# KiCad board AmigaPCI Mainboard.kicad_pcb (continued)
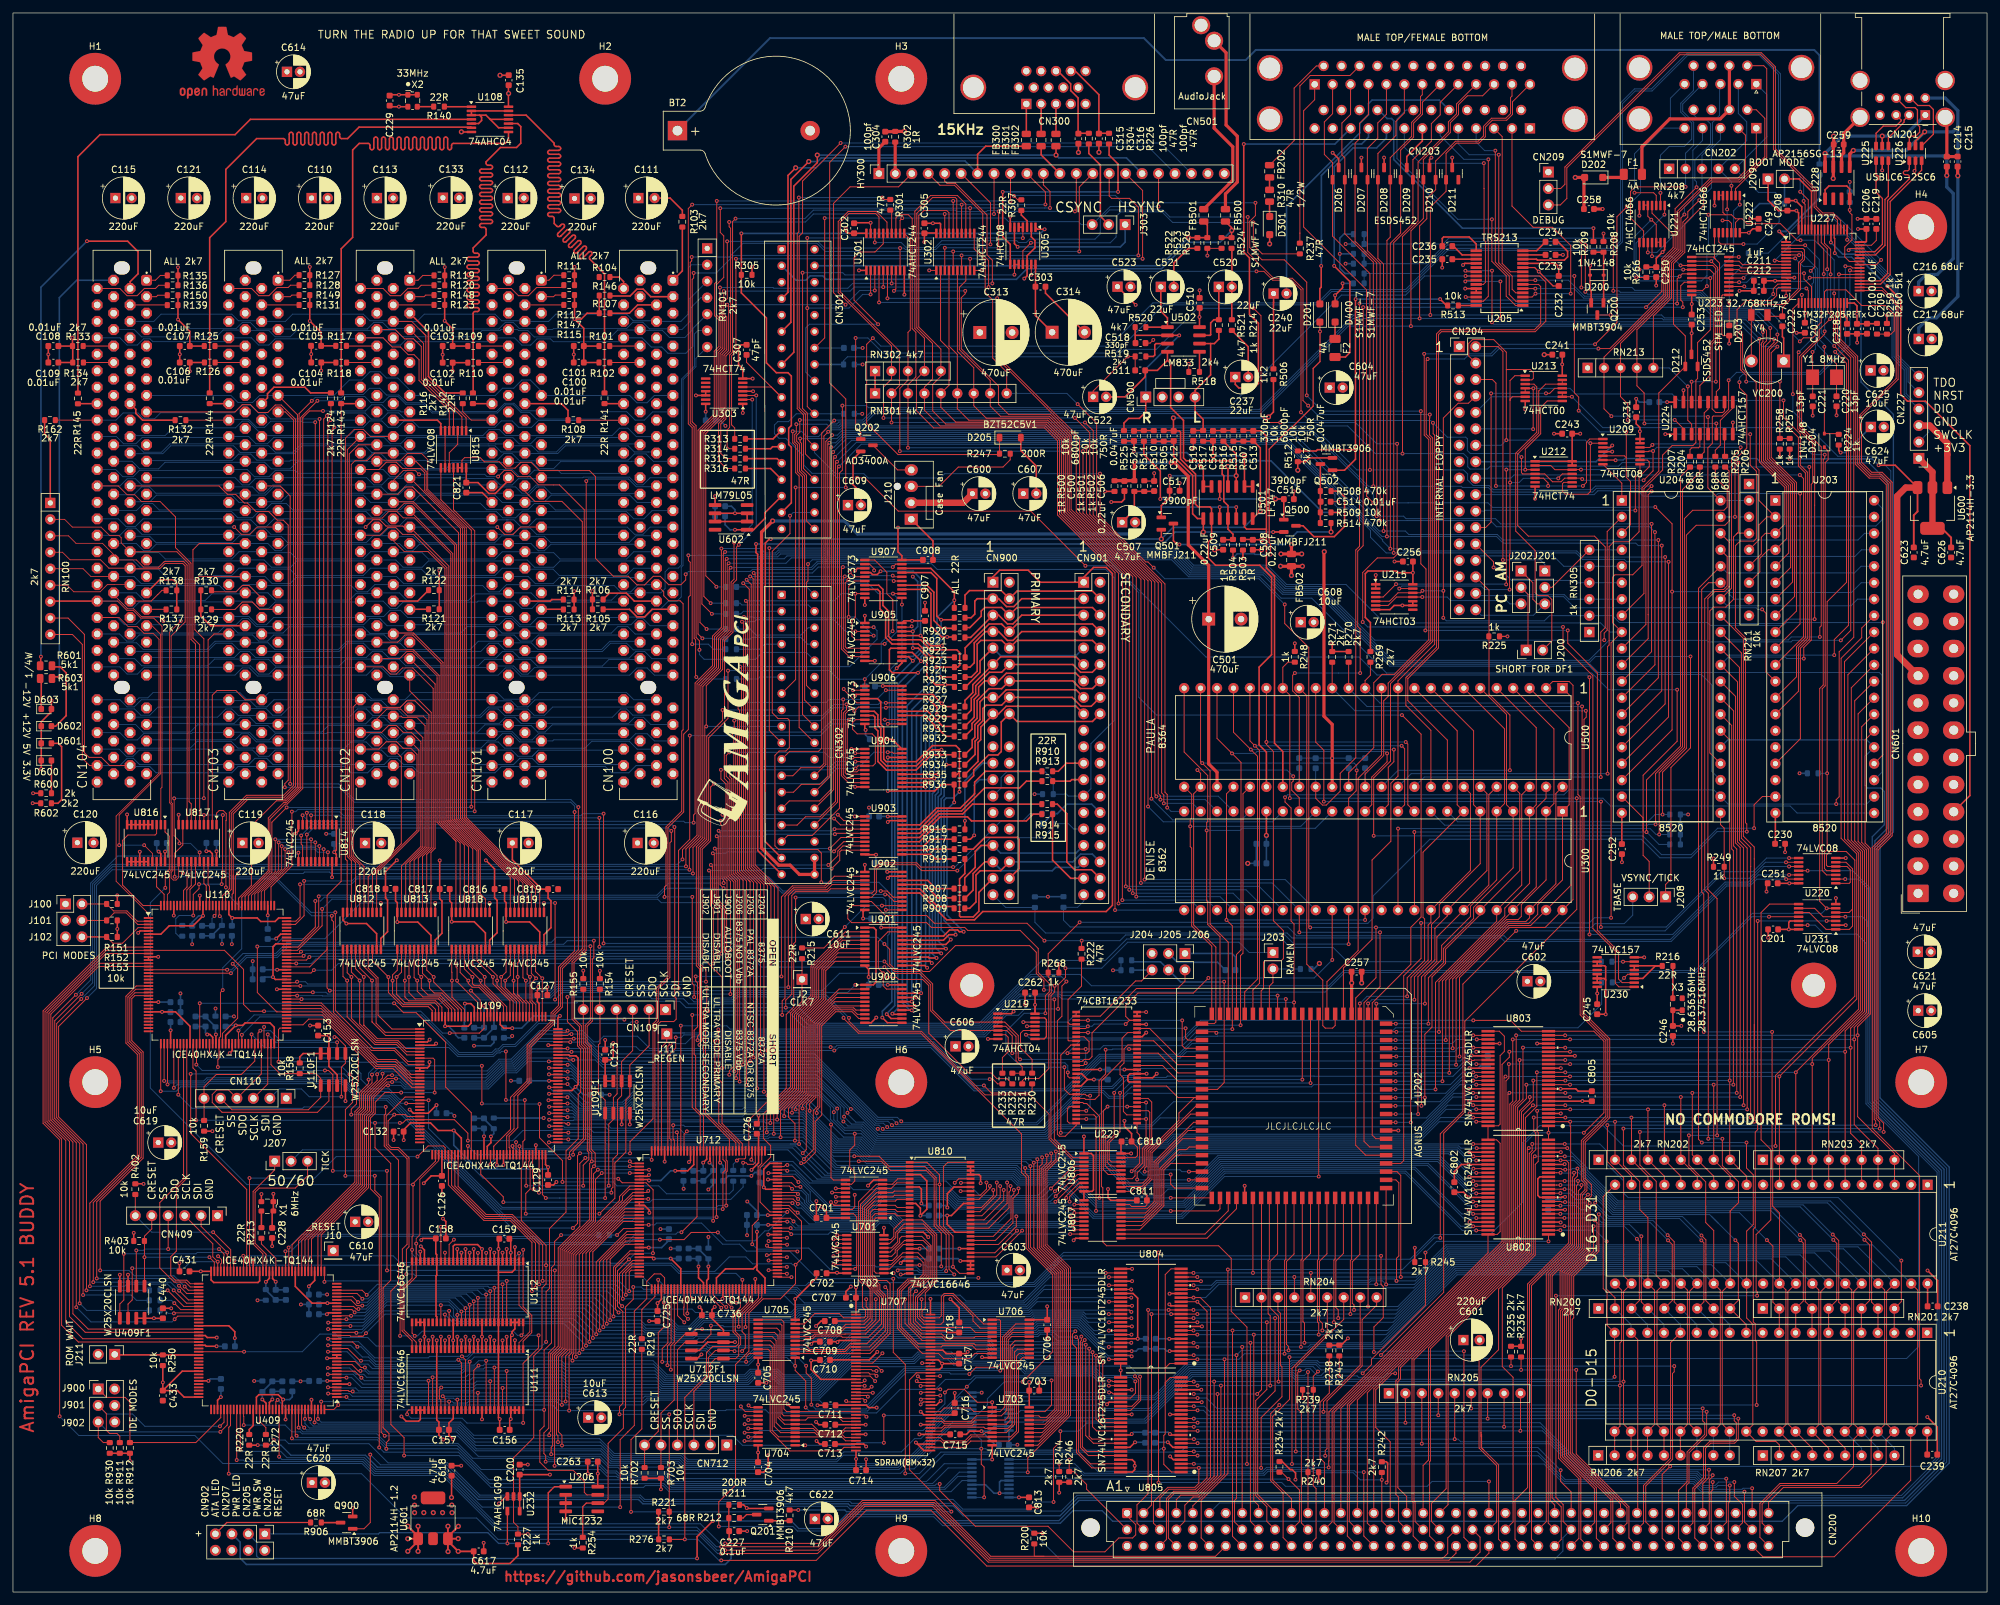
[diagram p0: board, top side]
## Routing (per net, layer and track width the routed paths; a pad name or vN(x,y) marks a point on that pad's centre or on a via; arc(x,y) is an arc through that point) (continued)
/Power and Spares/E_FANPWM: length 7.5
  Top w0.15: Q202.3 136.58,173.28 J210.4
/Power and Spares/E_FANTACH: length 17.9
  Top w0.15: R247.1 153.98,174.84 152.86,173.72 145.96,173.72 142.98,170.74 J210.3
/Serial/_RxD-IN: length 25.1
  Top w0.15: CN203.28 229.94,224.75 229.94,205.16 231.22,203.87 U205.9
/Serial/_TxD-OUT: length 38.6
  Top w0.15: v1(240.52,200.5) 240.52,207.94 237.71,210.74 234.73,210.74 231.45,214.02 CN203.27 ; U205.3 234.55,199.97 v1(235.08,200.5)
  Bottom w0.15: v1(235.08,200.5) v1(240.52,200.5)
/Serial/AUDIOOUT: length 60.6
  Top w0.25: v1(190.04,223.59) 190.04,223.58 190.04,206.91 190.92,206.03 190.92,197.3 192.3,195.92 192.3,186.63 191.61,185.94 189.27,185.94 188.72,186.49 C237.1
  Bottom w0.25: CN203.36 204.1,223.59 v1(190.04,223.59)
/Serial/CD: length 99.7
  Top w0.15: v1(229.67,196.67) 229.66,196.69 v1(229.66,202.38) ; U203.7 274.77,155.96 274.77,171.08 270.88,174.97 270.88,191.93 271.91,192.96 v1(271.91,193.47) ; v1(224.25,202.38) 224.44,202.57 U205.22
  Bottom w0.15: v1(229.67,196.67) 254.61,196.67 254.83,196.45 267.58,196.45 270.56,193.47 271.17,193.47 271.17,193.47 v1(271.91,193.47) ; v1(224.25,202.38) v1(229.66,202.38)
/Serial/CD-IN: length 36.3
  Top w0.15: v1(227.1,220.65) 227.13,220.62 227.13,216.73 227.14,216.72 227.14,208.77 227.34,208.56 227.34,202.24 227.02,201.92 U205.23
  Bottom w0.15: v1(227.1,220.65) 227.08,220.62 217.3,220.62 214.83,223.09 CN203.33
/Serial/CTS: length 83
  Top w0.15: v1(271.32,195.19) 271.32,193.18 270.57,192.43 270.57,174.85 274.47,170.95 274.47,158.2 U203.6 ; v1(235.06,201.27) 235.06,201.27 U205.5
  Bottom w0.15: v1(271.32,195.19) 269.16,197.35 262.64,197.35 260.76,199.23 260.76,199.24 260.2,199.8 242.52,199.8 241.05,201.27 235.06,201.27 v1(235.06,201.27)
/Serial/CTS-IN: length 32.8
  Top w0.15: v1(229.41,221.95) 229.41,205.26 231.47,203.19 231.47,201.17 232.02,200.62 U205.4
  Bottom w0.15: v1(229.41,221.95) 224.84,221.95 223.14,223.64 CN203.30
/Serial/DSR: length 89.3
  Top w0.15: v1(224.3,199.97) 224.3,199.97 U205.26 ; v1(270.05,195.46) 270.75,194.77 270.75,193.22 270.27,192.74 270.27,174.72 274.17,170.83 274.17,160.44 U203.5
  Bottom w0.15: v1(224.3,199.97) 224.77,199.5 259.9,199.5 262.35,197.05 268.47,197.05 v1(270.05,195.46)
/Serial/DSR-IN: length 33.4
  Top w0.15: U205.27 227.02,199.32 227.79,200.09 227.79,221.23 v1(227.8,221.23)
  Bottom w0.15: CN203.31 220.37,224.88 224.03,221.23 v1(227.8,221.23)
/Serial/DTR: length 106.9
  Top w0.15: U203.9 275.37,151.48 275.37,171.33 271.48,175.22 271.48,191.36 v1(272.43,192.31) ; U205.20 224.43,203.87 v1(224.26,204.04) ; v1(228.36,204.04) v1(228.36,196.07)
  Bottom w0.15: v1(228.36,196.07) 228.65,195.77 266.66,195.77 270.12,192.31 v1(272.43,192.31) ; v1(224.26,204.04) v1(228.36,204.04)
/Serial/DTR-OUT: length 43.7
  Top w0.15: U205.1 231.99,198.67 230.56,200.11 230.56,203.26 228.35,205.47 v1(228.35,211.97)
  Bottom w0.15: CN203.45 215.09,228.85 213.69,227.45 213.69,221.36 223.08,211.97 v1(228.35,211.97)
/Serial/PWRLED: length 384.7
  Top w0.2: v1(247.44,174.77) 247.41,174.8 U209.6 ; v1(121.25,12.67) R210.1
  Bottom w0.2: v1(247.44,174.77) 247.48,174.81 248.63,174.81 248.85,175.03 269.25,175.03 269.93,174.36 286.58,174.36 289.39,171.55 289.39,117.91 287.48,116 287.48,75.96 298.17,65.28 298.17,20.26 292.06,14.15 164.6,14.15 161.48,11.03 143.87,11.03 142.5,12.4 128.71,12.4 128.44,12.67 v1(121.25,12.67)
/Serial/RI: length 46.3
  Top w0.25: R209.1 v1(244.02,210.6)
  Bottom w0.25: v1(244.02,210.6) 223.8,210.6 213.19,221.21 213.19,227.21 212.86,227.54 212.17,227.54 210.86,228.85
/Serial/RTS: length 89.9
  Top w0.15: v1(272.43,194.19) 272.43,194.19 272.43,193.06 271.18,191.8 271.18,175.1 275.07,171.2 275.07,153.72 U203.8 ; U205.7 235.05,202.57 v1(235.05,202.57)
  Bottom w0.15: v1(235.05,202.57) 240.18,202.57 242.65,200.1 260.32,200.1 262.77,197.65 269.61,197.65 272.43,194.83 v1(272.43,194.19)
/Serial/RTS-OUT: length 31.3
  Top w0.15: v1(228.88,222.58) 228.88,222.58 228.88,205.37 231.02,203.22 231.02,200.34 232.04,199.32 U205.2
  Bottom w0.15: CN203.29 225.91,223.89 227.23,222.58 v1(228.88,222.58)
/Serial/SERAUD: length 47.9
  Bottom w0.25: C240.2 196.64,214 207.96,225.32 207.96,226.78 209.3,228.12 209.3,229.84 209.85,230.39 220.22,230.39 CN203.43
/Video/_COMPSYNC: length 85.9
  Top w0.15: v1(176.88,213.95) HY300.18 ; CN301.14 125.33,193.66 v1(125.33,212.16) ; v1(137.31,212.16) 136.97,211.82 U301.12
  Bottom w0.15: v1(176.88,213.95) 176.87,213.94 169.42,213.94 J303.3 164.95,211.16 164.49,211.62 153.71,211.62 153.15,212.17 136.44,212.17 136.44,212.17 125.34,212.17 v1(125.33,212.16) ; 123.76,192.1 128.28,192.1
/Video/B0: length 107.1
  Top w0.15: U302.9 147.77,205.87 v1(147.78,205.87) ; v1(111.63,205.87) 111.63,191.56 110.96,190.89 110.96,180.24 111.44,179.75 R313.2 ; HY300.16 174.42,216.42 v1(174.42,205.87)
  Bottom w0.15: v1(174.42,205.87) v1(147.78,205.87) v1(111.63,205.87)
/Video/B1: length 152.1
  Top w0.15: v1(105.1,203.69) 105.1,202.92 104.88,202.7 104.88,180.7 105.47,180.1 105.47,147.4 105.99,146.88 v1(105.99,145.49) ; U302.7 146.47,206.4 v1(146.47,206.4) ; v1(173.77,206.4) 173.77,213.83 172.39,215.21 169.63,215.21 169.26,215.58 HY300.15
  Bottom w0.15: v1(173.77,206.4) 173.77,206.4 v1(146.47,206.4) 146.25,206.4 111.28,206.4 108.57,203.69 v1(105.1,203.69) ; R323.2 106.72,144.03 105.99,144.76 v1(105.99,145.49)
/Video/B2: length 147.1
  Top w0.15: U302.5 145.17,207.01 v1(145.17,207.01) ; HY300.14 164.64,216.96 v1(164.64,207.01) ; v1(105.51,141.29) 105.4,141.4 105.4,147.05 105.18,147.28 105.18,179.92 104.57,180.52 104.57,205.32 104.8,205.54 v1(104.8,206.15)
  Bottom w0.15: v1(164.64,207.01) v1(145.17,207.01) 125.41,207.01 124.15,208.27 112.73,208.27 110.58,206.13 110.56,206.15 v1(104.8,206.15) ; R324.2 105.81,140.99 v1(105.51,141.29)
/Video/B3: length 113.6
  Top w0.15: U302.3 143.87,207.57 v1(143.88,207.58) ; HY300.13 164.18,213.41 v1(163.97,213.2) ; v1(152.2,207.58) 152.2,207.98 152.2,207.99 v1(152.2,213.2) ; v1(111.57,212.08) 111.1,211.62 111.1,191.46 110.66,191.01 110.66,179.84 110.27,179.46 110.27,176.87 110.59,176.55 R314.2
  Bottom w0.15: v1(111.57,212.08) 122.27,212.08 123.58,213.39 145.5,213.39 145.73,213.16 150.3,213.16 150.45,213.32 152.08,213.32 v1(152.2,213.2) v1(163.97,213.2) ; v1(143.88,207.58) v1(152.2,207.58)
/Video/BLU0: length 109.3
  Top w0.15: v1(178.22,121.14) 178.22,123.16 177.87,123.5 177.87,155.67 167.32,166.22 167.32,180.5 v1(164.39,183.43) ; RN301.9 153.43,188.38 151.26,190.55 151.26,199.52 150.12,200.67 150.12,205.7 148.42,207.4 U302.11
  Bottom w0.15: v1(164.39,183.43) 162.73,185.09 RN301.9 ; U300.24 178.81,120.54 v1(178.22,121.14)
/Video/BLU1: length 156.4
  Top w0.15: v1(170.16,105.31) 170.16,157.44 161.28,166.32 161.28,177.76 159.28,179.76 142.15,179.76 139.49,182.42 139.49,187.3 RN302.4 140.73,193.63 139.25,195.1 139.25,213.22 141.67,215.63 145.83,215.63 147.12,214.34 U302.13
  Bottom w0.15: U300.25 170.17,105.3
/Video/BLU2: length 155.7
  Top w0.15: v1(170.7,106.33) 170.7,157.32 161.58,166.44 161.58,177.88 159.4,180.06 143.16,180.06 140.73,182.49 RN301.4 140.73,186.06 141.98,187.31 141.98,192.8 139.56,195.23 139.56,212.9 141.99,215.33 145.5,215.33 145.73,215.1 145.73,209.83
  Bottom w0.15: U300.26 182.35,106.33 174.85,106.33 174.85,106.32 170.7,106.32 v1(170.7,106.33)
/Video/BLU3: length 152.4
  Top w0.15: U302.17 144.52,212.99 144.19,213.32 140.63,213.32 139.86,212.54 139.86,195.35 143.27,191.94 RN302.5 143.27,187.73 142,186.46 142.01,186.45 142.01,182.38 144.03,180.36 159.53,180.36 161.88,178.01 161.88,166.56 171.29,157.15 v1(171.29,106.85)
  Bottom w0.15: v1(171.29,106.85) 171.3,106.85 184.36,106.85 U300.27
/Video/BLUE: length 87.3
  Top w0.25: CN301.15 120.57,191.44 120.57,217.1 124.19,220.72 v2(124.19,221.89) ; v2(161.05,221.89) 161.05,223.25
  Bottom w0.25: v2(124.19,221.89) v2(161.05,221.89) 161.48,221.46 171.92,221.46 HY300.17
/Video/BUR: length 133.5
  Top w0.15: U301.4 133.72,199.14 v1(133.72,199.14) ; v1(175.26,121.3) 175.26,156.16 164.69,166.72 164.69,178.2 161.91,180.98 161.88,180.98 152.5,190.36 v1(152.5,199.14)
  Bottom w0.15: v1(152.5,199.14) v1(133.72,199.14) ; U300.18 194.46,118.94 177.62,118.94 v1(175.26,121.3)
/Video/BURST: length 39
  Top w0.15: v1(133.58,195.77) 129.86,199.49 129.86,206 130.79,206.93 133.1,206.93 134.37,208.2 U301.16
  Bottom w0.15: CN301.18 122.41,188.38 122.41,195.2 122.98,195.77 v1(133.58,195.77)
/Video/C4: length 15.5
  Top w0.15: C307.1 113.27,189.9 CN301.19 117.09,186.08 U303.5
/Video/COMPVID: length 147.7
  Top w0.15: CN302.13 120.84,140.91 v1(120.84,170.57) ; v1(128.58,170.57) 128.58,176.11 128.59,176.11 128.59,184.23 126.1,186.71 126.1,220.77 v1(128.53,223.2)
  Bottom w0.15: v1(128.53,223.2) 175.26,223.2 HY300.19 ; v1(120.84,170.57) v1(128.58,170.57)
/Video/G0: length 131.2
  Top w0.15: v1(147.78,213.71) 147.77,213.71 U302.12 ; v1(160.12,213.72) 160.12,216.26 159.1,217.28 HY300.11 ; v1(107.1,148.71) 106.07,149.73 106.07,179.28 108.58,181.78 108.58,191.48 109.31,192.21 109.31,196.54 108.63,197.21 108.63,201.89 109.75,203 109.75,209.41 109.21,209.95 v1(109.21,213.69)
  Bottom w0.15: R320.2 107.11,148.7 v1(107.1,148.71) ; v1(160.12,213.72) 159.31,213.72 147.3,213.72 147.26,213.69 v1(109.21,213.69)
/Video/G1: length 138.8
  Top w0.15: v1(146.48,214.24) 146.47,214.23 U302.14 ; HY300.10 159.41,216.19 v1(159.41,214.27) ; v1(104.87,214.24) 104.28,213.64 104.28,180.39 104.88,179.79 104.88,146.37 v1(104.88,146.37)
  Bottom w0.15: v1(159.41,214.27) 159.38,214.24 v1(146.48,214.24) v1(104.87,214.24) ; v1(104.88,146.37) 107.37,146.37 108.15,145.59 R321.2
/Video/G2: length 127.8
  Top w0.15: v1(154.02,214.81) HY300.9 ; v1(108.67,214.81) 108.67,202.35 108.34,202.02 108.34,197.08 109,196.41 109,192.33 108.28,191.61 108.28,181.91 105.78,179.4 105.78,147.94 v1(106.45,147.27) ; U302.16 145.17,214.81 v1(145.17,214.81)
  Bottom w0.15: R322.2 108.09,147.14 107.96,147.27 v1(106.45,147.27) ; v1(154.02,214.81) v1(145.17,214.81) v1(108.67,214.81)
/Video/G3: length 89.6
  Top w0.15: HY300.8 151.48,212.8 v1(151.47,212.79) ; U302.18 143.87,212.79 v1(143.87,212.79) ; v1(110.58,211.56) 110.58,210.82 110.81,210.59 110.81,191.59 110.08,190.86 110.08,181.16 109.29,180.37 109.29,175.82 110.09,175.02 R315.2
  Bottom w0.15: v1(151.47,212.79) v1(143.87,212.79) 123.59,212.79 122.36,211.56 v1(110.58,211.56)
/Video/GREEN: length 73.4
  Top w0.25: v2(122.87,220.89) 120.12,218.14 120.12,196.07 CN301.11 ; FB301.2 158.75,221.93 HY300.12
  Bottom w0.25: v2(122.87,220.89) 124.23,220.89 124.78,221.44 159.24,221.44 HY300.12
/Video/GRN0: length 128.7
  Top w0.15: v1(173.44,107.38) 173.44,156.7 163.08,167.06 163.08,178.51 160.03,181.56 152.48,181.56 150.89,183.15 RN301.8 150.89,187.09 146.12,191.86 146.12,201.47 147.12,202.47 U302.8
  Bottom w0.15: U300.28 186.37,107.38 v1(173.44,107.38)
/Video/GRN1: length 132.2
  Top w0.15: v1(172.9,107.91) 172.9,156.82 162.78,166.94 162.78,178.38 159.9,181.26 150.28,181.26 148.35,183.19 RN301.7 148.35,189.06 145.82,191.59 U302.6
  Bottom w0.15: v1(172.9,107.91) 188.38,107.91 U300.29
/Video/GRN2: length 136.8
  Top w0.15: U302.4 144.52,192.39 145.81,191.11 RN301.6 145.81,182.73 147.58,180.96 159.78,180.96 162.48,178.26 162.48,166.81 172.36,156.93 v1(172.36,108.44)
  Bottom w0.15: U300.30 190.39,108.44 v1(172.36,108.44)
/Video/GRN3: length 142
  Top w0.15: U302.2 143.22,193.27 144.53,191.96 144.53,186.35 RN301.5 143.27,182.96 145.57,180.66 159.65,180.66 162.18,178.13 162.18,166.69 171.81,157.05 v1(171.81,108.97)
  Bottom w0.15: v1(171.81,108.97) 192.4,108.97 U300.31
/Video/PIXELSW: length 59
  Top w0.15: v1(121.34,215.33) 121.34,210.03 121.09,209.78 121.09,182.74 122.05,181.77 122.05,173.49 CN301.30 ; R301.1 134.53,215.04 v1(134.24,215.33)
  Bottom w0.15: v1(134.24,215.33) v1(121.34,215.33)
/Video/PSW: length 148.8
  Top w0.15: v1(174.73,110.02) 174.73,110.6 174.73,110.6 174.73,156.26 164.17,166.82 164.17,178.27 151.97,190.46 v1(151.97,199.79) ; U301.6 135.02,199.77 v1(135.02,199.77)
  Bottom w0.15: v1(151.97,199.79) 151.95,199.77 v1(135.02,199.77) ; v1(174.73,110.02) 196.44,110.02 U300.33
/Video/R0: length 115
  Top w0.15: v1(108.61,155.23) 108.61,155.29 106.97,156.92 106.97,178.9 109.48,181.41 109.48,191.11 110.21,191.84 110.21,196.91 109.75,197.36 109.75,199.19 110.29,199.73 110.29,208.55 v1(110.27,208.57) ; v1(136.97,207.53) 136.97,207.53 U301.9 ; v1(150.93,208.1) 150.93,214.51 HY300.6
  Bottom w0.15: v1(108.61,155.23) 108.63,155.21 R317.2 ; v1(110.27,208.57) 124.28,208.57 125.31,207.53 v1(136.97,207.53) 137.57,207.53 137.79,207.31 142.47,207.31 143.26,208.1 v1(150.93,208.1)
/Video/R1: length 119.9
  Top w0.15: U301.7 135.67,202.08 v1(135.67,202.08) ; v1(109.16,201.44) 109.16,201.44 109.16,197.11 109.6,196.66 109.6,192.09 108.88,191.36 108.88,181.66 106.38,179.15 106.38,152.58 v1(107.91,151.05) ; HY300.5 143.86,217.89 144.22,217.53 145.5,217.53 150.39,212.64 150.39,206.49 151.22,205.66 v1(151.22,202.08)
  Bottom w0.15: v1(151.22,202.08) v1(135.67,202.08) 129.65,202.08 128.9,201.33 117.47,201.33 117.36,201.44 v1(109.16,201.44) ; R318.2 v1(107.91,151.05)
/Video/R2: length 119
  Top w0.15: v1(109.76,200.89) 109.76,199.62 109.46,199.32 109.46,197.24 109.91,196.79 109.91,191.96 109.18,191.24 109.18,181.53 106.68,179.03 106.68,153.75 v1(107.73,152.7) ; v1(150.64,201.51) 150.64,205.6 149.74,206.5 149.74,212.87 145.38,217.23 143.13,217.23 HY300.4 ; v1(134.37,201.51) 134.37,201.51 U301.5
  Bottom w0.15: v1(109.76,200.89) 129.27,200.89 129.89,201.51 v1(134.37,201.51) v1(150.64,201.51) ; R319.2 v1(107.73,152.7)
/Video/R3: length 85
  Top w0.15: v1(110.28,198.79) 110.5,198.57 110.5,191.71 109.78,190.99 109.78,181.28 108.95,180.45 108.95,174.69 110.15,173.49 R316.2 ; HY300.3 136.73,216.99 129.25,216.99 126.7,214.44 126.7,200.64 v1(128.55,198.79) ; v1(133.07,200.99) 133.07,200.99 U301.3
  Bottom w0.15: v1(110.28,198.79) v1(128.55,198.79) 130.75,200.99 v1(133.07,200.99)
/Video/RED: length 61.5
  Top w0.25: FB300.2 150.2,223.27 148.92,221.99 148.94,221.97 HY300.7 ; v2(120.85,219.93) 119.67,218.75 119.67,200.7 CN301.7
  Bottom w0.25: HY300.7 146.99,220.99 125.03,220.99 123.97,219.93 v2(120.85,219.93)
/Video/RED0: length 138.1
  Top w0.15: v1(165.22,176.17) 165.22,166.62 175.78,156.06 v1(175.78,122.5) ; 137.61,209.81 138.55,208.88 138.55,194.88 138.19,194.52 RN302.3 138.19,187.12 136.93,185.86 v1(136.93,176.17)
  Bottom w0.15: U300.20 189.69,119.24 179.04,119.24 v1(175.78,122.5) ; v1(165.22,176.17) 136.93,176.17 v1(136.93,176.17)
/Video/RED1: length 140.3
  Top w0.15: U301.13 136.32,212.19 136.82,212.69 138.25,212.69 138.85,212.08 138.85,195.09 139.41,194.52 139.41,187.64 138.19,186.42 RN301.3 v1(138.19,176.7) ; v1(176.54,122.86) 176.54,122.99 176.31,123.22 176.31,155.96 165.74,166.52 v1(165.74,176.72)
  Bottom w0.15: v1(176.54,122.86) 176.58,122.89 186.1,122.89 U300.21 ; v1(165.74,176.72) 165.72,176.7 138.19,176.7 v1(138.19,176.7)
/Video/RED2: length 148.3
  Top w0.15: v1(134.41,181.3) 134.41,186.07 135.65,187.31 RN302.2 135.65,192.43 127.43,200.66 127.43,211.65 128.96,213.18 133.3,213.18 134.95,211.54 134.95,209.81 ; v1(177.17,122.37) 177.17,122.97 176.83,123.31 176.83,155.86 166.26,166.42 166.26,179 v1(163.97,181.3)
  Bottom w0.15: v1(163.97,181.3) v1(134.41,181.3) ; v1(177.17,122.37) 184.08,122.37 U300.22
/Video/RED3: length 144.4
  Top w0.15: U301.17 133.72,212.34 133.18,212.88 129.08,212.88 127.72,211.52 127.72,200.78 136.87,191.64 136.87,186.31 RN301.2 v1(135.65,180.6) ; v1(177.69,121.79) 177.69,123.06 177.7,123.07 177.36,123.41 177.36,155.76 166.79,166.32 166.79,179.32 v1(165.52,180.59)
  Bottom w0.15: v1(135.65,180.6) 135.65,180.59 v1(165.52,180.59) ; v1(177.69,121.79) 182.12,121.79 U300.23
/Video/SYNC: length 109.2
  Top w0.15: CN301.28 122.35,175.73 122.35,181.9 121.39,182.86 121.39,209.37 121.92,209.9 121.92,217.88 125.4,221.36 125.4,221.37 v1(127.79,223.76)
  Bottom w0.15: v1(127.79,223.76) 177.24,223.76 HY300.20
_ADEN: length 103.4
  Top w0.15: v1(62.05,39.56) 61.62,39.98 U112.29 ; v1(78.78,26.12) 78.77,26.13 U111.56 78.77,35.33 81.15,37.71 v1(81.15,39.64) ; v1(60.86,27.45) 60.86,27.86 61.1,28.1 U111.29 ; U112.56 78.77,39.91 v1(78.5,39.64) ; U109.22 60.55,76.44 57.62,73.52 57.62,69.01 58.3,68.33 59.42,68.33 60.85,66.91 60.85,53.69 60.12,52.96 60.12,47.4 59.78,47.05 59.78,39.56 v1(59.77,39.56)
  Bottom w0.15: v1(81.15,39.64) v1(78.5,39.64) 77.9,39.64 77.26,40.28 63.18,40.28 62.46,39.56 v1(62.05,39.56) 62.04,39.56 v1(59.77,39.56) ; v1(78.78,26.12) 78.75,26.09 70.1,26.09 69.36,26.84 61.47,26.84 v1(60.86,27.45)
_AS: length 112
  Top w0.15: U202.24 v1(195.26,92.1) ; U712.116 112.62,69.23 109.49,72.36 109.49,78.66 108.91,79.23 v1(108.91,86.88)
  Bottom w0.15: v1(195.26,92.1) 161.87,92.1 161.63,92.34 155.38,92.34 149.68,86.63 109.16,86.63 v1(108.91,86.88)
_AWE: length 53.7
  Top w0.15: U202.21 199.07,79.14 v1(199.08,79.13) ; v1(170.03,77.08) 170.03,70.59 168.95,69.51 168.95,66.35 169.53,65.77 U806.17
  Bottom w0.15: v1(199.08,79.13) 171.92,79.13 170.03,77.24 v1(170.03,77.08)
_BB: length 24.2
  Top w0.15: CN200.b1 165.77,15.89 165.77,16.61 163.77,18.61 R246.2 v1(163.08,20.46)
  Bottom w0.15: v1(163.08,20.46) 163.07,20.46 U809.11
_BEN: length 154
  Top w0.15: U409.91 10.1,38.61 7.51,41.2 7.51,69.95 4.95,72.51 4.95,89.61 14.43,99.09 U110.11 32.66,99.09 35.6,96.14 35.6,90.74 36.66,89.69 v1(38.77,89.69) ; v1(67.44,86.31) 72.01,86.31 72.73,87.03 U109.128
  Bottom w0.15: v1(67.44,86.31) 66.34,86.31 62.96,89.69 v1(38.77,89.69)
_BG: length 275.4
  Top w0.15: v1(60.75,49.1) 60.75,52.92 61.15,53.32 61.15,67.03 59.55,68.63 58.42,68.63 57.93,69.13 57.93,72.76 v1(58.88,73.72) 60.6,73.72 60.88,73.44 U109.28 ; CN200.c22 224.03,8.43 v1(224.03,37.19) ; U110.75 44.78,87.59 45.66,88.47 47.97,88.47 53.33,83.1 53.33,78.83 53.04,78.54 53.04,75.37 52.23,74.56 v1(52.23,73.72) ; v1(210.13,37.06) 210.13,40.94 211.57,42.38 211.57,47.19 211.23,47.54 v1(211.23,51.91)
  Bottom w0.15: v1(211.23,51.91) 162.11,51.91 157.68,47.48 139.15,47.48 138.11,46.44 121.67,46.44 121.07,47.05 98.85,47.05 97.02,48.88 62.09,48.88 61.87,49.1 v1(60.75,49.1) ; v1(52.23,73.72) 58.88,73.72 v1(58.88,73.72) ; v1(224.03,37.19) 210.93,37.19 210.81,37.06 v1(210.13,37.06)
_BHS: length 255.9
  Top w0.15: v1(133.07,208.4) 133.07,208.4 U301.18 ; v1(190.66,212.33) 190.66,206.85 194.64,202.87 197.54,202.87 199.18,201.23 199.18,184 v1(199.98,183.2) ; v1(268.83,117.95) 268.83,121.56 270.11,122.84 U203.19 ; v1(210.1,116.78) 210.1,116.78 210.1,125.71 212.69,128.31 212.69,140.28 219.2,146.79 219.2,178.21 218.72,178.69 218.72,181.26 218.76,181.3 v1(218.76,181.83)
  Bottom w0.15: v1(133.07,208.4) 137.13,208.4 137.92,207.61 142.35,207.61 143.41,208.67 154.99,208.67 155.26,208.39 156.46,208.39 156.98,208.91 167.06,208.91 167.88,209.73 167.88,211.98 169.33,213.42 177.54,213.42 178.63,212.33 v1(190.66,212.33) ; v1(268.83,117.95) 263.21,117.95 259.13,113.87 254.53,113.87 251.63,116.77 210.11,116.77 v1(210.1,116.78) ; v1(199.98,183.2) 201.35,181.83 v1(218.76,181.83)
_BLS: length 122.6
  Top w0.15: U202.19 v1(201.61,64.16) ; v1(114,66.76) 114,67.03 114.12,67.15 U712.113
  Bottom w0.15: v1(201.61,64.16) 187.05,64.16 180.61,57.72 166.76,57.72 161.49,63 160.03,63 158.27,61.24 149.28,61.24 147.99,62.53 145,62.53 144.06,63.46 123.44,63.46 120.41,66.5 116.94,66.5 116.23,65.79 114.97,65.79 v1(114,66.76)
_BR: length 201.6
  Top w0.15: CN200.a11 197.41,14.4 194.5,17.31 194.5,27.12 196.15,28.77 196.15,28.8 197.1,29.75 v1(197.1,36.27) ; U231.13 v1(277.1,102.98)
  Bottom w0.15: v1(197.1,36.27) 209.61,36.27 209.82,36.07 292.38,36.07 294.24,37.93 294.24,67.26 286.11,75.39 286.11,100.19 284.71,101.59 279.65,101.59 278.26,102.98 v1(277.1,102.98)
_BREG: length 47.8
  Top w0.15: 36.53,49.59 v1(36.53,63.93) ; U109.41 66.73,68.63 66.47,68.89 64.11,68.89 v1(62.46,67.24)
  Bottom w0.15: v1(62.46,67.24) 49.91,67.24 46.59,63.92 36.53,63.92 v1(36.53,63.93)
_BRST: length 291.2
  Top w0.15: v1(157.23,203.41) U305.13 ; v1(219.25,180.55) 219.28,180.52 219.28,178.87 219.5,178.65 219.5,146.36 213.85,140.71 U500.11 213.85,126 212.75,124.9 212.75,115.94 209.85,113.03 209.85,100.79 205.42,96.36 U202.16 ; v1(232.91,175.26) 232.91,172.85 233.1,172.66 U212.4 236.5,172.66 237.71,171.45 239.03,171.45 239.59,172.01 U212.10 242.15,172.01 v1(242.3,171.86) ; v1(198.88,182.17) 198.88,201.1 197.41,202.57 194.52,202.57 193.15,203.94 v1(192,203.94) ; U209.11 252.52,176.1 252.62,176.2 v1(253.23,176.2) 253.23,173.13 v1(251.78,171.68) ; U204.34 265.35,155.02 265.35,175.11 266.76,176.52 v1(266.76,176.77)
  Bottom w0.15: U203.34 284.81,153.32 283.78,152.29 264.68,152.29 U204.34 ; v1(198.88,182.17) 200.14,180.91 218.89,180.91 v1(219.25,180.55) 221.47,178.33 224.32,178.33 224.56,178.09 224.56,176.26 225.01,175.81 232.36,175.81 v1(232.91,175.26) ; v1(251.78,171.68) 242.48,171.68 v1(242.3,171.86) ; v1(253.23,176.2) 253.8,176.77 v1(266.76,176.77) ; v1(157.23,203.41) 157.76,203.94 v1(192,203.94)
_BUFEN: length 261.2
  Top w0.15: U803.25 229.5,86.6 230.27,85.83 230.27,83.48 229.62,82.83 229.62,72.25 229.37,72 U803.48 U802.25 229.08,69.83 229.62,69.29 229.62,55.66 229.19,55.23 U802.48 227.75,52.39 203.19,27.82 203.19,20.27 203.15,20.23 v1(203.15,19.25) ; U409.119 35.59,27.14 35.64,27.09 v1(35.64,25.78)
  Bottom w0.15: v1(203.15,19.25) 193.54,19.25 192.94,18.64 167.48,18.64 164.84,21.28 143.78,21.28 140.02,17.52 102.48,17.52 101.46,18.54 94.12,18.54 93.4,19.26 91.91,19.26 90.51,20.66 86.1,20.66 85.88,20.43 82.69,20.43 82.47,20.66 70.99,20.66 68.7,22.95 57.67,22.95 56.19,24.44 44.66,24.44 44.36,24.74 43.07,24.74 42.03,25.78 v1(35.64,25.78)
_BURST: length 25.2
  Top w0.15: U110.80 47.62,90.09 56.27,81.44 59.11,81.44 61.61,78.94 U109.17
_BUSGRANT0: length 143
  Top w0.15: U110.119 35.34,107.3 39.43,111.38 39.43,119.52 41.83,121.93 42.24,121.93 44.43,124.12 44.43,181.36 v1(47.01,183.95)
  Bottom w0.13: CN100.A17 98.76,182.23 97.5,180.97 96.06,180.97 94.77,182.26 91.72,182.26 90.59,181.13 80.82,181.13 79.79,182.16 78.43,182.16 77.25,183.34 76.05,183.34 74.78,182.07 64.72,182.07 63.37,183.42 60.65,183.42 59.46,184.61 58.07,184.61 57.13,183.67 55.26,183.67 54.32,184.61 51.37,184.61 50.71,183.95 v1(47.01,183.95)
_BUSGRANT1: length 122
  Top w0.15: U110.120 34.84,107.15 36.81,109.12 36.81,118.31 40.68,122.18 42.13,122.18 44.18,124.22 44.18,181.97 v1(46.14,183.94)
  Bottom w0.13: v1(46.14,183.94) 46.69,184.48 50.74,184.48 51.17,184.92 54.08,184.92 55.04,185.88 56.64,185.88 57.68,184.84 59.56,184.84 60.75,183.65 63.47,183.65 64.82,182.3 74.68,182.3 75.95,183.57 77.35,183.57 78.52,182.4 81.42,182.4
_BUSGRANT2: length 97
  Top w0.15: U110.118 35.84,107.44 39.68,111.28 39.68,119.32 42.03,121.68 42.34,121.68 44.74,124.08 44.74,181.33 45.79,182.38 v1(47.87,182.38)
  Bottom w0.13: CN102.A17 59.91,182.23 59.75,182.4 57.88,182.4 56.94,183.34 55.38,183.34 54.42,182.38 v1(47.87,182.38)
_BUSGRANT3: length 85.8
  Top w0.15: U110.125 32.34,107.53 33.41,108.6 33.41,120.4 36.04,123.03 41.78,123.03 43.32,124.57 43.32,180.96 42.06,182.23 CN103.A17
_BUSGRANT4: length 108.3
  Top w0.15: U110.124 32.84,107.61 33.71,108.48 33.71,120.27 36.17,122.73 41.91,122.73 43.62,124.45 43.62,181.09 41.41,183.3 40.5,183.3 39.34,182.14 37.87,182.14 36.66,183.35 35.4,183.35 34.29,182.23 CN104.A17
_BUSREQ0: length 17.7
  Top w0.13: U110.112 38.84,108.31 42.54,112.01 v1(42.54,114.24) ; v1(48.63,114.24) 48.62,114.23 U814.18
  Bottom w0.13: v1(48.63,114.24) 47.06,114.24 46.58,114.73 43.03,114.73 v1(42.54,114.24)
_BUSREQ1: length 18.9
  Top w0.13: v1(41.49,115.19) 41.49,111.61 37.84,107.96 U110.114 ; U814.16 47.32,115.17
  Bottom w0.13: 47.32,115.19 41.49,115.19 v1(41.49,115.19)
  vias: v1(47.31,115.19)
_BUSREQ2: length 18.3
  Top w0.13: U814.17 47.97,114.71 v1(47.97,114.72) ; U110.113 38.34,108.13 42.02,111.81 v1(42.02,114.72)
  Bottom w0.13: v1(42.02,114.72) 42.26,114.96 46.67,114.96 46.91,114.72 v1(47.97,114.72)
_BUSREQ3: length 20.8
  Top w0.13: v1(40.5,116.24) 40.5,111.27 36.84,107.61 U110.116 ; v1(46.03,116.24) 46.03,116.23 U814.14
  Bottom w0.13: v1(46.03,116.24) v1(40.5,116.24)
_BUSREQ4: length 19.9
  Top w0.13: U814.15 46.68,115.75 v1(46.68,115.76) ; U110.115 37.34,107.78 41.02,111.46 v1(41.02,115.76)
  Bottom w0.13: v1(41.02,115.76) v1(46.68,115.76)
_CASL: length 23.2
  Top w0.15: U229.55 165.73,73.05 v1(165.73,73.05) ; v1(172.03,74.96) 172.03,74.96 U229.5 ; U806.15 169.11,64.47 168.35,65.23 168.35,74.3 v1(169.01,74.96)
  Bottom w0.15: v1(165.73,73.05) 167.1,73.05 v1(169.01,74.96) v1(172.03,74.96)
_CASU: length 17.2
  Top w0.15: v1(174.95,75.59) 173.56,75.59 ; U806.14 172.81,63.82 173.25,64.26 173.25,65.09 174.37,66.21 174.37,68.46 174.95,69.04 v1(174.95,73.05) 174.95,73.05 U229.2
  Bottom w0.15: v1(174.95,73.05) v1(174.95,75.59)
_CBE0: length 113.1
  Top w0.15: U817.2 30.78,138.49 31.5,139.21 34.42,139.21 35.84,137.78 CN103.A52
  Bottom w0.13: CN101.A52 80.13,137.78 81.24,138.89 94.74,138.89 95.85,137.78 CN100.A52 ; CN103.A52 39.51,138.89 54.42,138.89 55.43,137.88 58.63,137.88 ; 38.31,137.88 36.04,137.88 35.03,138.89 21.63,138.89 20.82,138.08 19.47,138.08 19.17,137.78 CN104.A52 ; 78.96,137.87 75.8,137.87 74.78,138.89 61.64,138.89 60.53,137.78 CN102.A52